# Allegro board LED_FIN.brd (continued)
## Nets (continued)
COL_OUT_C39: D11421.1(CATHODE) D11451.1(CATHODE) D11481.1(CATHODE) D11511.1(CATHODE) D11541.1(CATHODE) D11571.1(CATHODE) D11601.1(CATHODE) D11631.1(CATHODE) D11661.1(CATHODE) D11691.1(CATHODE) D11721.1(CATHODE) D11751.1(CATHODE) D11781.1(CATHODE) D11811.1(CATHODE) D11841.1(CATHODE) D11871.1(CATHODE) D11901.1(CATHODE) D11931.1(CATHODE) D11961.1(CATHODE) D11991.1(CATHODE) D12021.1(CATHODE) D12051.1(CATHODE) D12081.1(CATHODE) D12111.1(CATHODE) D12141.1(CATHODE) D12171.1(CATHODE) D12201.1(CATHODE) D12231.1(CATHODE) D12261.1(CATHODE) D12291.1(CATHODE) D12321.1(CATHODE) D12351.1(CATHODE) D12381.1(CATHODE) D12411.1(CATHODE) D12441.1(CATHODE) D12471.1(CATHODE) D12501.1(CATHODE) D12531.1(CATHODE) R321.1
COL_OUT_C40: D11420.1(CATHODE) D11450.1(CATHODE) D11480.1(CATHODE) D11510.1(CATHODE) D11540.1(CATHODE) D11570.1(CATHODE) D11600.1(CATHODE) D11630.1(CATHODE) D11660.1(CATHODE) D11690.1(CATHODE) D11720.1(CATHODE) D11750.1(CATHODE) D11780.1(CATHODE) D11810.1(CATHODE) D11840.1(CATHODE) D11870.1(CATHODE) D11900.1(CATHODE) D11930.1(CATHODE) D11960.1(CATHODE) D11990.1(CATHODE) D12020.1(CATHODE) D12050.1(CATHODE) D12080.1(CATHODE) D12110.1(CATHODE) D12140.1(CATHODE) D12170.1(CATHODE) D12200.1(CATHODE) D12230.1(CATHODE) D12260.1(CATHODE) D12290.1(CATHODE) D12320.1(CATHODE) D12350.1(CATHODE) D12380.1(CATHODE) D12410.1(CATHODE) D12440.1(CATHODE) D12470.1(CATHODE) D12500.1(CATHODE) D12530.1(CATHODE) R320.1
COL_OUT_C41: D11419.1(CATHODE) D11449.1(CATHODE) D11479.1(CATHODE) D11509.1(CATHODE) D11539.1(CATHODE) D11569.1(CATHODE) D11599.1(CATHODE) D11629.1(CATHODE) D11659.1(CATHODE) D11689.1(CATHODE) D11719.1(CATHODE) D11749.1(CATHODE) D11779.1(CATHODE) D11809.1(CATHODE) D11839.1(CATHODE) D11869.1(CATHODE) D11899.1(CATHODE) D11929.1(CATHODE) D11959.1(CATHODE) D11989.1(CATHODE) D12019.1(CATHODE) D12049.1(CATHODE) D12079.1(CATHODE) D12109.1(CATHODE) D12139.1(CATHODE) D12169.1(CATHODE) D12199.1(CATHODE) D12229.1(CATHODE) D12259.1(CATHODE) D12289.1(CATHODE) D12319.1(CATHODE) D12349.1(CATHODE) D12379.1(CATHODE) D12409.1(CATHODE) D12439.1(CATHODE) D12469.1(CATHODE) D12499.1(CATHODE) D12529.1(CATHODE) R319.1
COL_OUT_C42: D11418.1(CATHODE) D11448.1(CATHODE) D11478.1(CATHODE) D11508.1(CATHODE) D11538.1(CATHODE) D11568.1(CATHODE) D11598.1(CATHODE) D11628.1(CATHODE) D11658.1(CATHODE) D11688.1(CATHODE) D11718.1(CATHODE) D11748.1(CATHODE) D11778.1(CATHODE) D11808.1(CATHODE) D11838.1(CATHODE) D11868.1(CATHODE) D11898.1(CATHODE) D11928.1(CATHODE) D11958.1(CATHODE) D11988.1(CATHODE) D12018.1(CATHODE) D12048.1(CATHODE) D12078.1(CATHODE) D12108.1(CATHODE) D12138.1(CATHODE) D12168.1(CATHODE) D12198.1(CATHODE) D12228.1(CATHODE) D12258.1(CATHODE) D12288.1(CATHODE) D12318.1(CATHODE) D12348.1(CATHODE) D12378.1(CATHODE) D12408.1(CATHODE) D12438.1(CATHODE) D12468.1(CATHODE) D12498.1(CATHODE) D12528.1(CATHODE) R318.1
COL_OUT_C43: D11417.1(CATHODE) D11447.1(CATHODE) D11477.1(CATHODE) D11507.1(CATHODE) D11537.1(CATHODE) D11567.1(CATHODE) D11597.1(CATHODE) D11627.1(CATHODE) D11657.1(CATHODE) D11687.1(CATHODE) D11717.1(CATHODE) D11747.1(CATHODE) D11777.1(CATHODE) D11807.1(CATHODE) D11837.1(CATHODE) D11867.1(CATHODE) D11897.1(CATHODE) D11927.1(CATHODE) D11957.1(CATHODE) D11987.1(CATHODE) D12017.1(CATHODE) D12047.1(CATHODE) D12077.1(CATHODE) D12107.1(CATHODE) D12137.1(CATHODE) D12167.1(CATHODE) D12197.1(CATHODE) D12227.1(CATHODE) D12257.1(CATHODE) D12287.1(CATHODE) D12317.1(CATHODE) D12347.1(CATHODE) D12377.1(CATHODE) D12407.1(CATHODE) D12437.1(CATHODE) D12467.1(CATHODE) D12497.1(CATHODE) D12527.1(CATHODE) R317.1
COL_OUT_C44: D11416.1(CATHODE) D11446.1(CATHODE) D11476.1(CATHODE) D11506.1(CATHODE) D11536.1(CATHODE) D11566.1(CATHODE) D11596.1(CATHODE) D11626.1(CATHODE) D11656.1(CATHODE) D11686.1(CATHODE) D11716.1(CATHODE) D11746.1(CATHODE) D11776.1(CATHODE) D11806.1(CATHODE) D11836.1(CATHODE) D11866.1(CATHODE) D11896.1(CATHODE) D11926.1(CATHODE) D11956.1(CATHODE) D11986.1(CATHODE) D12016.1(CATHODE) D12046.1(CATHODE) D12076.1(CATHODE) D12106.1(CATHODE) D12136.1(CATHODE) D12166.1(CATHODE) D12196.1(CATHODE) D12226.1(CATHODE) D12256.1(CATHODE) D12286.1(CATHODE) D12316.1(CATHODE) D12346.1(CATHODE) D12376.1(CATHODE) D12406.1(CATHODE) D12436.1(CATHODE) D12466.1(CATHODE) D12496.1(CATHODE) D12526.1(CATHODE) R316.1
COL_OUT_C45: D11415.1(CATHODE) D11445.1(CATHODE) D11475.1(CATHODE) D11505.1(CATHODE) D11535.1(CATHODE) D11565.1(CATHODE) D11595.1(CATHODE) D11625.1(CATHODE) D11655.1(CATHODE) D11685.1(CATHODE) D11715.1(CATHODE) D11745.1(CATHODE) D11775.1(CATHODE) D11805.1(CATHODE) D11835.1(CATHODE) D11865.1(CATHODE) D11895.1(CATHODE) D11925.1(CATHODE) D11955.1(CATHODE) D11985.1(CATHODE) D12015.1(CATHODE) D12045.1(CATHODE) D12075.1(CATHODE) D12105.1(CATHODE) D12135.1(CATHODE) D12165.1(CATHODE) D12195.1(CATHODE) D12225.1(CATHODE) D12255.1(CATHODE) D12285.1(CATHODE) D12315.1(CATHODE) D12345.1(CATHODE) D12375.1(CATHODE) D12405.1(CATHODE) D12435.1(CATHODE) D12465.1(CATHODE) D12495.1(CATHODE) D12525.1(CATHODE) R315.1
COL_OUT_C46: D11414.1(CATHODE) D11444.1(CATHODE) D11474.1(CATHODE) D11504.1(CATHODE) D11534.1(CATHODE) D11564.1(CATHODE) D11594.1(CATHODE) D11624.1(CATHODE) D11654.1(CATHODE) D11684.1(CATHODE) D11714.1(CATHODE) D11744.1(CATHODE) D11774.1(CATHODE) D11804.1(CATHODE) D11834.1(CATHODE) D11864.1(CATHODE) D11894.1(CATHODE) D11924.1(CATHODE) D11954.1(CATHODE) D11984.1(CATHODE) D12014.1(CATHODE) D12044.1(CATHODE) D12074.1(CATHODE) D12104.1(CATHODE) D12134.1(CATHODE) D12164.1(CATHODE) D12194.1(CATHODE) D12224.1(CATHODE) D12254.1(CATHODE) D12284.1(CATHODE) D12314.1(CATHODE) D12344.1(CATHODE) D12374.1(CATHODE) D12404.1(CATHODE) D12434.1(CATHODE) D12464.1(CATHODE) D12494.1(CATHODE) D12524.1(CATHODE) R314.1
COL_OUT_C47: D11413.1(CATHODE) D11443.1(CATHODE) D11473.1(CATHODE) D11503.1(CATHODE) D11533.1(CATHODE) D11563.1(CATHODE) D11593.1(CATHODE) D11623.1(CATHODE) D11653.1(CATHODE) D11683.1(CATHODE) D11713.1(CATHODE) D11743.1(CATHODE) D11773.1(CATHODE) D11803.1(CATHODE) D11833.1(CATHODE) D11863.1(CATHODE) D11893.1(CATHODE) D11923.1(CATHODE) D11953.1(CATHODE) D11983.1(CATHODE) D12013.1(CATHODE) D12043.1(CATHODE) D12073.1(CATHODE) D12103.1(CATHODE) D12133.1(CATHODE) D12163.1(CATHODE) D12193.1(CATHODE) D12223.1(CATHODE) D12253.1(CATHODE) D12283.1(CATHODE) D12313.1(CATHODE) D12343.1(CATHODE) D12373.1(CATHODE) D12403.1(CATHODE) D12433.1(CATHODE) D12463.1(CATHODE) D12493.1(CATHODE) D12523.1(CATHODE) R313.1
COL_OUT_C48: D11412.1(CATHODE) D11442.1(CATHODE) D11472.1(CATHODE) D11502.1(CATHODE) D11532.1(CATHODE) D11562.1(CATHODE) D11592.1(CATHODE) D11622.1(CATHODE) D11652.1(CATHODE) D11682.1(CATHODE) D11712.1(CATHODE) D11742.1(CATHODE) D11772.1(CATHODE) D11802.1(CATHODE) D11832.1(CATHODE) D11862.1(CATHODE) D11892.1(CATHODE) D11922.1(CATHODE) D11952.1(CATHODE) D11982.1(CATHODE) D12012.1(CATHODE) D12042.1(CATHODE) D12072.1(CATHODE) D12102.1(CATHODE) D12132.1(CATHODE) D12162.1(CATHODE) D12192.1(CATHODE) D12222.1(CATHODE) D12252.1(CATHODE) D12282.1(CATHODE) D12312.1(CATHODE) D12342.1(CATHODE) D12372.1(CATHODE) D12402.1(CATHODE) D12432.1(CATHODE) D12462.1(CATHODE) D12492.1(CATHODE) D12522.1(CATHODE) R312.1
COL_OUT_C49: D11411.1(CATHODE) D11441.1(CATHODE) D11471.1(CATHODE) D11501.1(CATHODE) D11531.1(CATHODE) D11561.1(CATHODE) D11591.1(CATHODE) D11621.1(CATHODE) D11651.1(CATHODE) D11681.1(CATHODE) D11711.1(CATHODE) D11741.1(CATHODE) D11771.1(CATHODE) D11801.1(CATHODE) D11831.1(CATHODE) D11861.1(CATHODE) D11891.1(CATHODE) D11921.1(CATHODE) D11951.1(CATHODE) D11981.1(CATHODE) D12011.1(CATHODE) D12041.1(CATHODE) D12071.1(CATHODE) D12101.1(CATHODE) D12131.1(CATHODE) D12161.1(CATHODE) D12191.1(CATHODE) D12221.1(CATHODE) D12251.1(CATHODE) D12281.1(CATHODE) D12311.1(CATHODE) D12341.1(CATHODE) D12371.1(CATHODE) D12401.1(CATHODE) D12431.1(CATHODE) D12461.1(CATHODE) D12491.1(CATHODE) D12521.1(CATHODE) R311.1
COL_OUT_C50: D11410.1(CATHODE) D11440.1(CATHODE) D11470.1(CATHODE) D11500.1(CATHODE) D11530.1(CATHODE) D11560.1(CATHODE) D11590.1(CATHODE) D11620.1(CATHODE) D11650.1(CATHODE) D11680.1(CATHODE) D11710.1(CATHODE) D11740.1(CATHODE) D11770.1(CATHODE) D11800.1(CATHODE) D11830.1(CATHODE) D11860.1(CATHODE) D11890.1(CATHODE) D11920.1(CATHODE) D11950.1(CATHODE) D11980.1(CATHODE) D12010.1(CATHODE) D12040.1(CATHODE) D12070.1(CATHODE) D12100.1(CATHODE) D12130.1(CATHODE) D12160.1(CATHODE) D12190.1(CATHODE) D12220.1(CATHODE) D12250.1(CATHODE) D12280.1(CATHODE) D12310.1(CATHODE) D12340.1(CATHODE) D12370.1(CATHODE) D12400.1(CATHODE) D12430.1(CATHODE) D12460.1(CATHODE) D12490.1(CATHODE) D12520.1(CATHODE) R310.1
COL_OUT_C51: D11409.1(CATHODE) D11439.1(CATHODE) D11469.1(CATHODE) D11499.1(CATHODE) D11529.1(CATHODE) D11559.1(CATHODE) D11589.1(CATHODE) D11619.1(CATHODE) D11649.1(CATHODE) D11679.1(CATHODE) D11709.1(CATHODE) D11739.1(CATHODE) D11769.1(CATHODE) D11799.1(CATHODE) D11829.1(CATHODE) D11859.1(CATHODE) D11889.1(CATHODE) D11919.1(CATHODE) D11949.1(CATHODE) D11979.1(CATHODE) D12009.1(CATHODE) D12039.1(CATHODE) D12069.1(CATHODE) D12099.1(CATHODE) D12129.1(CATHODE) D12159.1(CATHODE) D12189.1(CATHODE) D12219.1(CATHODE) D12249.1(CATHODE) D12279.1(CATHODE) D12309.1(CATHODE) D12339.1(CATHODE) D12369.1(CATHODE) D12399.1(CATHODE) D12429.1(CATHODE) D12459.1(CATHODE) D12489.1(CATHODE) D12519.1(CATHODE) R309.1
COL_OUT_C52: D11408.1(CATHODE) D11438.1(CATHODE) D11468.1(CATHODE) D11498.1(CATHODE) D11528.1(CATHODE) D11558.1(CATHODE) D11588.1(CATHODE) D11618.1(CATHODE) D11648.1(CATHODE) D11678.1(CATHODE) D11708.1(CATHODE) D11738.1(CATHODE) D11768.1(CATHODE) D11798.1(CATHODE) D11828.1(CATHODE) D11858.1(CATHODE) D11888.1(CATHODE) D11918.1(CATHODE) D11948.1(CATHODE) D11978.1(CATHODE) D12008.1(CATHODE) D12038.1(CATHODE) D12068.1(CATHODE) D12098.1(CATHODE) D12128.1(CATHODE) D12158.1(CATHODE) D12188.1(CATHODE) D12218.1(CATHODE) D12248.1(CATHODE) D12278.1(CATHODE) D12308.1(CATHODE) D12338.1(CATHODE) D12368.1(CATHODE) D12398.1(CATHODE) D12428.1(CATHODE) D12458.1(CATHODE) D12488.1(CATHODE) D12518.1(CATHODE) R308.1
COL_OUT_C53: D11407.1(CATHODE) D11437.1(CATHODE) D11467.1(CATHODE) D11497.1(CATHODE) D11527.1(CATHODE) D11557.1(CATHODE) D11587.1(CATHODE) D11617.1(CATHODE) D11647.1(CATHODE) D11677.1(CATHODE) D11707.1(CATHODE) D11737.1(CATHODE) D11767.1(CATHODE) D11797.1(CATHODE) D11827.1(CATHODE) D11857.1(CATHODE) D11887.1(CATHODE) D11917.1(CATHODE) D11947.1(CATHODE) D11977.1(CATHODE) D12007.1(CATHODE) D12037.1(CATHODE) D12067.1(CATHODE) D12097.1(CATHODE) D12127.1(CATHODE) D12157.1(CATHODE) D12187.1(CATHODE) D12217.1(CATHODE) D12247.1(CATHODE) D12277.1(CATHODE) D12307.1(CATHODE) D12337.1(CATHODE) D12367.1(CATHODE) D12397.1(CATHODE) D12427.1(CATHODE) D12457.1(CATHODE) D12487.1(CATHODE) D12517.1(CATHODE) R307.1
COL_OUT_C54: D11406.1(CATHODE) D11436.1(CATHODE) D11466.1(CATHODE) D11496.1(CATHODE) D11526.1(CATHODE) D11556.1(CATHODE) D11586.1(CATHODE) D11616.1(CATHODE) D11646.1(CATHODE) D11676.1(CATHODE) D11706.1(CATHODE) D11736.1(CATHODE) D11766.1(CATHODE) D11796.1(CATHODE) D11826.1(CATHODE) D11856.1(CATHODE) D11886.1(CATHODE) D11916.1(CATHODE) D11946.1(CATHODE) D11976.1(CATHODE) D12006.1(CATHODE) D12036.1(CATHODE) D12066.1(CATHODE) D12096.1(CATHODE) D12126.1(CATHODE) D12156.1(CATHODE) D12186.1(CATHODE) D12216.1(CATHODE) D12246.1(CATHODE) D12276.1(CATHODE) D12306.1(CATHODE) D12336.1(CATHODE) D12366.1(CATHODE) D12396.1(CATHODE) D12426.1(CATHODE) D12456.1(CATHODE) D12486.1(CATHODE) D12516.1(CATHODE) R306.1
COL_OUT_C55: D11405.1(CATHODE) D11435.1(CATHODE) D11465.1(CATHODE) D11495.1(CATHODE) D11525.1(CATHODE) D11555.1(CATHODE) D11585.1(CATHODE) D11615.1(CATHODE) D11645.1(CATHODE) D11675.1(CATHODE) D11705.1(CATHODE) D11735.1(CATHODE) D11765.1(CATHODE) D11795.1(CATHODE) D11825.1(CATHODE) D11855.1(CATHODE) D11885.1(CATHODE) D11915.1(CATHODE) D11945.1(CATHODE) D11975.1(CATHODE) D12005.1(CATHODE) D12035.1(CATHODE) D12065.1(CATHODE) D12095.1(CATHODE) D12125.1(CATHODE) D12155.1(CATHODE) D12185.1(CATHODE) D12215.1(CATHODE) D12245.1(CATHODE) D12275.1(CATHODE) D12305.1(CATHODE) D12335.1(CATHODE) D12365.1(CATHODE) D12395.1(CATHODE) D12425.1(CATHODE) D12455.1(CATHODE) D12485.1(CATHODE) D12515.1(CATHODE) R305.1
COL_OUT_C56: D11404.1(CATHODE) D11434.1(CATHODE) D11464.1(CATHODE) D11494.1(CATHODE) D11524.1(CATHODE) D11554.1(CATHODE) D11584.1(CATHODE) D11614.1(CATHODE) D11644.1(CATHODE) D11674.1(CATHODE) D11704.1(CATHODE) D11734.1(CATHODE) D11764.1(CATHODE) D11794.1(CATHODE) D11824.1(CATHODE) D11854.1(CATHODE) D11884.1(CATHODE) D11914.1(CATHODE) D11944.1(CATHODE) D11974.1(CATHODE) D12004.1(CATHODE) D12034.1(CATHODE) D12064.1(CATHODE) D12094.1(CATHODE) D12124.1(CATHODE) D12154.1(CATHODE) D12184.1(CATHODE) D12214.1(CATHODE) D12244.1(CATHODE) D12274.1(CATHODE) D12304.1(CATHODE) D12334.1(CATHODE) D12364.1(CATHODE) D12394.1(CATHODE) D12424.1(CATHODE) D12454.1(CATHODE) D12484.1(CATHODE) D12514.1(CATHODE) R304.1
COL_OUT_C57: D11403.1(CATHODE) D11433.1(CATHODE) D11463.1(CATHODE) D11493.1(CATHODE) D11523.1(CATHODE) D11553.1(CATHODE) D11583.1(CATHODE) D11613.1(CATHODE) D11643.1(CATHODE) D11673.1(CATHODE) D11703.1(CATHODE) D11733.1(CATHODE) D11763.1(CATHODE) D11793.1(CATHODE) D11823.1(CATHODE) D11853.1(CATHODE) D11883.1(CATHODE) D11913.1(CATHODE) D11943.1(CATHODE) D11973.1(CATHODE) D12003.1(CATHODE) D12033.1(CATHODE) D12063.1(CATHODE) D12093.1(CATHODE) D12123.1(CATHODE) D12153.1(CATHODE) D12183.1(CATHODE) D12213.1(CATHODE) D12243.1(CATHODE) D12273.1(CATHODE) D12303.1(CATHODE) D12333.1(CATHODE) D12363.1(CATHODE) D12393.1(CATHODE) D12423.1(CATHODE) D12453.1(CATHODE) D12483.1(CATHODE) D12513.1(CATHODE) R303.1
COL_OUT_C58: D11402.1(CATHODE) D11432.1(CATHODE) D11462.1(CATHODE) D11492.1(CATHODE) D11522.1(CATHODE) D11552.1(CATHODE) D11582.1(CATHODE) D11612.1(CATHODE) D11642.1(CATHODE) D11672.1(CATHODE) D11702.1(CATHODE) D11732.1(CATHODE) D11762.1(CATHODE) D11792.1(CATHODE) D11822.1(CATHODE) D11852.1(CATHODE) D11882.1(CATHODE) D11912.1(CATHODE) D11942.1(CATHODE) D11972.1(CATHODE) D12002.1(CATHODE) D12032.1(CATHODE) D12062.1(CATHODE) D12092.1(CATHODE) D12122.1(CATHODE) D12152.1(CATHODE) D12182.1(CATHODE) D12212.1(CATHODE) D12242.1(CATHODE) D12272.1(CATHODE) D12302.1(CATHODE) D12332.1(CATHODE) D12362.1(CATHODE) D12392.1(CATHODE) D12422.1(CATHODE) D12452.1(CATHODE) D12482.1(CATHODE) D12512.1(CATHODE) R302.1
COL_OUT_C59: D11401.1(CATHODE) D11431.1(CATHODE) D11461.1(CATHODE) D11491.1(CATHODE) D11521.1(CATHODE) D11551.1(CATHODE) D11581.1(CATHODE) D11611.1(CATHODE) D11641.1(CATHODE) D11671.1(CATHODE) D11701.1(CATHODE) D11731.1(CATHODE) D11761.1(CATHODE) D11791.1(CATHODE) D11821.1(CATHODE) D11851.1(CATHODE) D11881.1(CATHODE) D11911.1(CATHODE) D11941.1(CATHODE) D11971.1(CATHODE) D12001.1(CATHODE) D12031.1(CATHODE) D12061.1(CATHODE) D12091.1(CATHODE) D12121.1(CATHODE) D12151.1(CATHODE) D12181.1(CATHODE) D12211.1(CATHODE) D12241.1(CATHODE) D12271.1(CATHODE) D12301.1(CATHODE) D12331.1(CATHODE) D12361.1(CATHODE) D12391.1(CATHODE) D12421.1(CATHODE) D12451.1(CATHODE) D12481.1(CATHODE) D12511.1(CATHODE) R301.1
COL_OUT_C60: D10290.1(CATHODE) D10320.1(CATHODE) D10350.1(CATHODE) D10380.1(CATHODE) D10410.1(CATHODE) D10440.1(CATHODE) D10470.1(CATHODE) D10500.1(CATHODE) D10530.1(CATHODE) D10560.1(CATHODE) D10590.1(CATHODE) D10620.1(CATHODE) D10650.1(CATHODE) D10680.1(CATHODE) D10710.1(CATHODE) D10740.1(CATHODE) D10770.1(CATHODE) D10800.1(CATHODE) D10830.1(CATHODE) D10860.1(CATHODE) D10890.1(CATHODE) D10920.1(CATHODE) D10950.1(CATHODE) D10980.1(CATHODE) D11010.1(CATHODE) D11040.1(CATHODE) D11070.1(CATHODE) D11100.1(CATHODE) D11130.1(CATHODE) D11160.1(CATHODE) D11190.1(CATHODE) D11220.1(CATHODE) D11250.1(CATHODE) D11280.1(CATHODE) D11310.1(CATHODE) D11340.1(CATHODE) D11370.1(CATHODE) D11400.1(CATHODE) R300.1
COL_OUT_C61: D10289.1(CATHODE) D10319.1(CATHODE) D10349.1(CATHODE) D10379.1(CATHODE) D10409.1(CATHODE) D10439.1(CATHODE) D10469.1(CATHODE) D10499.1(CATHODE) D10529.1(CATHODE) D10559.1(CATHODE) D10589.1(CATHODE) D10619.1(CATHODE) D10649.1(CATHODE) D10679.1(CATHODE) D10709.1(CATHODE) D10739.1(CATHODE) D10769.1(CATHODE) D10799.1(CATHODE) D10829.1(CATHODE) D10859.1(CATHODE) D10889.1(CATHODE) D10919.1(CATHODE) D10949.1(CATHODE) D10979.1(CATHODE) D11009.1(CATHODE) D11039.1(CATHODE) D11069.1(CATHODE) D11099.1(CATHODE) D11129.1(CATHODE) D11159.1(CATHODE) D11189.1(CATHODE) D11219.1(CATHODE) D11249.1(CATHODE) D11279.1(CATHODE) D11309.1(CATHODE) D11339.1(CATHODE) D11369.1(CATHODE) D11399.1(CATHODE) R299.1
COL_OUT_C62: D10288.1(CATHODE) D10318.1(CATHODE) D10348.1(CATHODE) D10378.1(CATHODE) D10408.1(CATHODE) D10438.1(CATHODE) D10468.1(CATHODE) D10498.1(CATHODE) D10528.1(CATHODE) D10558.1(CATHODE) D10588.1(CATHODE) D10618.1(CATHODE) D10648.1(CATHODE) D10678.1(CATHODE) D10708.1(CATHODE) D10738.1(CATHODE) D10768.1(CATHODE) D10798.1(CATHODE) D10828.1(CATHODE) D10858.1(CATHODE) D10888.1(CATHODE) D10918.1(CATHODE) D10948.1(CATHODE) D10978.1(CATHODE) D11008.1(CATHODE) D11038.1(CATHODE) D11068.1(CATHODE) D11098.1(CATHODE) D11128.1(CATHODE) D11158.1(CATHODE) D11188.1(CATHODE) D11218.1(CATHODE) D11248.1(CATHODE) D11278.1(CATHODE) D11308.1(CATHODE) D11338.1(CATHODE) D11368.1(CATHODE) D11398.1(CATHODE) R298.1
COL_OUT_C63: D10287.1(CATHODE) D10317.1(CATHODE) D10347.1(CATHODE) D10377.1(CATHODE) D10407.1(CATHODE) D10437.1(CATHODE) D10467.1(CATHODE) D10497.1(CATHODE) D10527.1(CATHODE) D10557.1(CATHODE) D10587.1(CATHODE) D10617.1(CATHODE) D10647.1(CATHODE) D10677.1(CATHODE) D10707.1(CATHODE) D10737.1(CATHODE) D10767.1(CATHODE) D10797.1(CATHODE) D10827.1(CATHODE) D10857.1(CATHODE) D10887.1(CATHODE) D10917.1(CATHODE) D10947.1(CATHODE) D10977.1(CATHODE) D11007.1(CATHODE) D11037.1(CATHODE) D11067.1(CATHODE) D11097.1(CATHODE) D11127.1(CATHODE) D11157.1(CATHODE) D11187.1(CATHODE) D11217.1(CATHODE) D11247.1(CATHODE) D11277.1(CATHODE) D11307.1(CATHODE) D11337.1(CATHODE) D11367.1(CATHODE) D11397.1(CATHODE) R297.1
COL_OUT_C64: D10286.1(CATHODE) D10316.1(CATHODE) D10346.1(CATHODE) D10376.1(CATHODE) D10406.1(CATHODE) D10436.1(CATHODE) D10466.1(CATHODE) D10496.1(CATHODE) D10526.1(CATHODE) D10556.1(CATHODE) D10586.1(CATHODE) D10616.1(CATHODE) D10646.1(CATHODE) D10676.1(CATHODE) D10706.1(CATHODE) D10736.1(CATHODE) D10766.1(CATHODE) D10796.1(CATHODE) D10826.1(CATHODE) D10856.1(CATHODE) D10886.1(CATHODE) D10916.1(CATHODE) D10946.1(CATHODE) D10976.1(CATHODE) D11006.1(CATHODE) D11036.1(CATHODE) D11066.1(CATHODE) D11096.1(CATHODE) D11126.1(CATHODE) D11156.1(CATHODE) D11186.1(CATHODE) D11216.1(CATHODE) D11246.1(CATHODE) D11276.1(CATHODE) D11306.1(CATHODE) D11336.1(CATHODE) D11366.1(CATHODE) D11396.1(CATHODE) R296.1
COL_OUT_C65: D10285.1(CATHODE) D10315.1(CATHODE) D10345.1(CATHODE) D10375.1(CATHODE) D10405.1(CATHODE) D10435.1(CATHODE) D10465.1(CATHODE) D10495.1(CATHODE) D10525.1(CATHODE) D10555.1(CATHODE) D10585.1(CATHODE) D10615.1(CATHODE) D10645.1(CATHODE) D10675.1(CATHODE) D10705.1(CATHODE) D10735.1(CATHODE) D10765.1(CATHODE) D10795.1(CATHODE) D10825.1(CATHODE) D10855.1(CATHODE) D10885.1(CATHODE) D10915.1(CATHODE) D10945.1(CATHODE) D10975.1(CATHODE) D11005.1(CATHODE) D11035.1(CATHODE) D11065.1(CATHODE) D11095.1(CATHODE) D11125.1(CATHODE) D11155.1(CATHODE) D11185.1(CATHODE) D11215.1(CATHODE) D11245.1(CATHODE) D11275.1(CATHODE) D11305.1(CATHODE) D11335.1(CATHODE) D11365.1(CATHODE) D11395.1(CATHODE) R295.1
COL_OUT_C66: D10284.1(CATHODE) D10314.1(CATHODE) D10344.1(CATHODE) D10374.1(CATHODE) D10404.1(CATHODE) D10434.1(CATHODE) D10464.1(CATHODE) D10494.1(CATHODE) D10524.1(CATHODE) D10554.1(CATHODE) D10584.1(CATHODE) D10614.1(CATHODE) D10644.1(CATHODE) D10674.1(CATHODE) D10704.1(CATHODE) D10734.1(CATHODE) D10764.1(CATHODE) D10794.1(CATHODE) D10824.1(CATHODE) D10854.1(CATHODE) D10884.1(CATHODE) D10914.1(CATHODE) D10944.1(CATHODE) D10974.1(CATHODE) D11004.1(CATHODE) D11034.1(CATHODE) D11064.1(CATHODE) D11094.1(CATHODE) D11124.1(CATHODE) D11154.1(CATHODE) D11184.1(CATHODE) D11214.1(CATHODE) D11244.1(CATHODE) D11274.1(CATHODE) D11304.1(CATHODE) D11334.1(CATHODE) D11364.1(CATHODE) D11394.1(CATHODE) R294.1
COL_OUT_C67: D10283.1(CATHODE) D10313.1(CATHODE) D10343.1(CATHODE) D10373.1(CATHODE) D10403.1(CATHODE) D10433.1(CATHODE) D10463.1(CATHODE) D10493.1(CATHODE) D10523.1(CATHODE) D10553.1(CATHODE) D10583.1(CATHODE) D10613.1(CATHODE) D10643.1(CATHODE) D10673.1(CATHODE) D10703.1(CATHODE) D10733.1(CATHODE) D10763.1(CATHODE) D10793.1(CATHODE) D10823.1(CATHODE) D10853.1(CATHODE) D10883.1(CATHODE) D10913.1(CATHODE) D10943.1(CATHODE) D10973.1(CATHODE) D11003.1(CATHODE) D11033.1(CATHODE) D11063.1(CATHODE) D11093.1(CATHODE) D11123.1(CATHODE) D11153.1(CATHODE) D11183.1(CATHODE) D11213.1(CATHODE) D11243.1(CATHODE) D11273.1(CATHODE) D11303.1(CATHODE) D11333.1(CATHODE) D11363.1(CATHODE) D11393.1(CATHODE) R293.1
COL_OUT_C68: D10282.1(CATHODE) D10312.1(CATHODE) D10342.1(CATHODE) D10372.1(CATHODE) D10402.1(CATHODE) D10432.1(CATHODE) D10462.1(CATHODE) D10492.1(CATHODE) D10522.1(CATHODE) D10552.1(CATHODE) D10582.1(CATHODE) D10612.1(CATHODE) D10642.1(CATHODE) D10672.1(CATHODE) D10702.1(CATHODE) D10732.1(CATHODE) D10762.1(CATHODE) D10792.1(CATHODE) D10822.1(CATHODE) D10852.1(CATHODE) D10882.1(CATHODE) D10912.1(CATHODE) D10942.1(CATHODE) D10972.1(CATHODE) D11002.1(CATHODE) D11032.1(CATHODE) D11062.1(CATHODE) D11092.1(CATHODE) D11122.1(CATHODE) D11152.1(CATHODE) D11182.1(CATHODE) D11212.1(CATHODE) D11242.1(CATHODE) D11272.1(CATHODE) D11302.1(CATHODE) D11332.1(CATHODE) D11362.1(CATHODE) D11392.1(CATHODE) R292.1
COL_OUT_C69: D10281.1(CATHODE) D10311.1(CATHODE) D10341.1(CATHODE) D10371.1(CATHODE) D10401.1(CATHODE) D10431.1(CATHODE) D10461.1(CATHODE) D10491.1(CATHODE) D10521.1(CATHODE) D10551.1(CATHODE) D10581.1(CATHODE) D10611.1(CATHODE) D10641.1(CATHODE) D10671.1(CATHODE) D10701.1(CATHODE) D10731.1(CATHODE) D10761.1(CATHODE) D10791.1(CATHODE) D10821.1(CATHODE) D10851.1(CATHODE) D10881.1(CATHODE) D10911.1(CATHODE) D10941.1(CATHODE) D10971.1(CATHODE) D11001.1(CATHODE) D11031.1(CATHODE) D11061.1(CATHODE) D11091.1(CATHODE) D11121.1(CATHODE) D11151.1(CATHODE) D11181.1(CATHODE) D11211.1(CATHODE) D11241.1(CATHODE) D11271.1(CATHODE) D11301.1(CATHODE) D11331.1(CATHODE) D11361.1(CATHODE) D11391.1(CATHODE) R291.1
COL_OUT_C70: D10280.1(CATHODE) D10310.1(CATHODE) D10340.1(CATHODE) D10370.1(CATHODE) D10400.1(CATHODE) D10430.1(CATHODE) D10460.1(CATHODE) D10490.1(CATHODE) D10520.1(CATHODE) D10550.1(CATHODE) D10580.1(CATHODE) D10610.1(CATHODE) D10640.1(CATHODE) D10670.1(CATHODE) D10700.1(CATHODE) D10730.1(CATHODE) D10760.1(CATHODE) D10790.1(CATHODE) D10820.1(CATHODE) D10850.1(CATHODE) D10880.1(CATHODE) D10910.1(CATHODE) D10940.1(CATHODE) D10970.1(CATHODE) D11000.1(CATHODE) D11030.1(CATHODE) D11060.1(CATHODE) D11090.1(CATHODE) D11120.1(CATHODE) D11150.1(CATHODE) D11180.1(CATHODE) D11210.1(CATHODE) D11240.1(CATHODE) D11270.1(CATHODE) D11300.1(CATHODE) D11330.1(CATHODE) D11360.1(CATHODE) D11390.1(CATHODE) R290.1
COL_OUT_C71: D10279.1(CATHODE) D10309.1(CATHODE) D10339.1(CATHODE) D10369.1(CATHODE) D10399.1(CATHODE) D10429.1(CATHODE) D10459.1(CATHODE) D10489.1(CATHODE) D10519.1(CATHODE) D10549.1(CATHODE) D10579.1(CATHODE) D10609.1(CATHODE) D10639.1(CATHODE) D10669.1(CATHODE) D10699.1(CATHODE) D10729.1(CATHODE) D10759.1(CATHODE) D10789.1(CATHODE) D10819.1(CATHODE) D10849.1(CATHODE) D10879.1(CATHODE) D10909.1(CATHODE) D10939.1(CATHODE) D10969.1(CATHODE) D10999.1(CATHODE) D11029.1(CATHODE) D11059.1(CATHODE) D11089.1(CATHODE) D11119.1(CATHODE) D11149.1(CATHODE) D11179.1(CATHODE) D11209.1(CATHODE) D11239.1(CATHODE) D11269.1(CATHODE) D11299.1(CATHODE) D11329.1(CATHODE) D11359.1(CATHODE) D11389.1(CATHODE) R289.1
COL_OUT_C72: D10278.1(CATHODE) D10308.1(CATHODE) D10338.1(CATHODE) D10368.1(CATHODE) D10398.1(CATHODE) D10428.1(CATHODE) D10458.1(CATHODE) D10488.1(CATHODE) D10518.1(CATHODE) D10548.1(CATHODE) D10578.1(CATHODE) D10608.1(CATHODE) D10638.1(CATHODE) D10668.1(CATHODE) D10698.1(CATHODE) D10728.1(CATHODE) D10758.1(CATHODE) D10788.1(CATHODE) D10818.1(CATHODE) D10848.1(CATHODE) D10878.1(CATHODE) D10908.1(CATHODE) D10938.1(CATHODE) D10968.1(CATHODE) D10998.1(CATHODE) D11028.1(CATHODE) D11058.1(CATHODE) D11088.1(CATHODE) D11118.1(CATHODE) D11148.1(CATHODE) D11178.1(CATHODE) D11208.1(CATHODE) D11238.1(CATHODE) D11268.1(CATHODE) D11298.1(CATHODE) D11328.1(CATHODE) D11358.1(CATHODE) D11388.1(CATHODE) R288.1
COL_OUT_C73: D10277.1(CATHODE) D10307.1(CATHODE) D10337.1(CATHODE) D10367.1(CATHODE) D10397.1(CATHODE) D10427.1(CATHODE) D10457.1(CATHODE) D10487.1(CATHODE) D10517.1(CATHODE) D10547.1(CATHODE) D10577.1(CATHODE) D10607.1(CATHODE) D10637.1(CATHODE) D10667.1(CATHODE) D10697.1(CATHODE) D10727.1(CATHODE) D10757.1(CATHODE) D10787.1(CATHODE) D10817.1(CATHODE) D10847.1(CATHODE) D10877.1(CATHODE) D10907.1(CATHODE) D10937.1(CATHODE) D10967.1(CATHODE) D10997.1(CATHODE) D11027.1(CATHODE) D11057.1(CATHODE) D11087.1(CATHODE) D11117.1(CATHODE) D11147.1(CATHODE) D11177.1(CATHODE) D11207.1(CATHODE) D11237.1(CATHODE) D11267.1(CATHODE) D11297.1(CATHODE) D11327.1(CATHODE) D11357.1(CATHODE) D11387.1(CATHODE) R287.1
